# KiCad board k410t-devboard.kicad_pcb (continued)
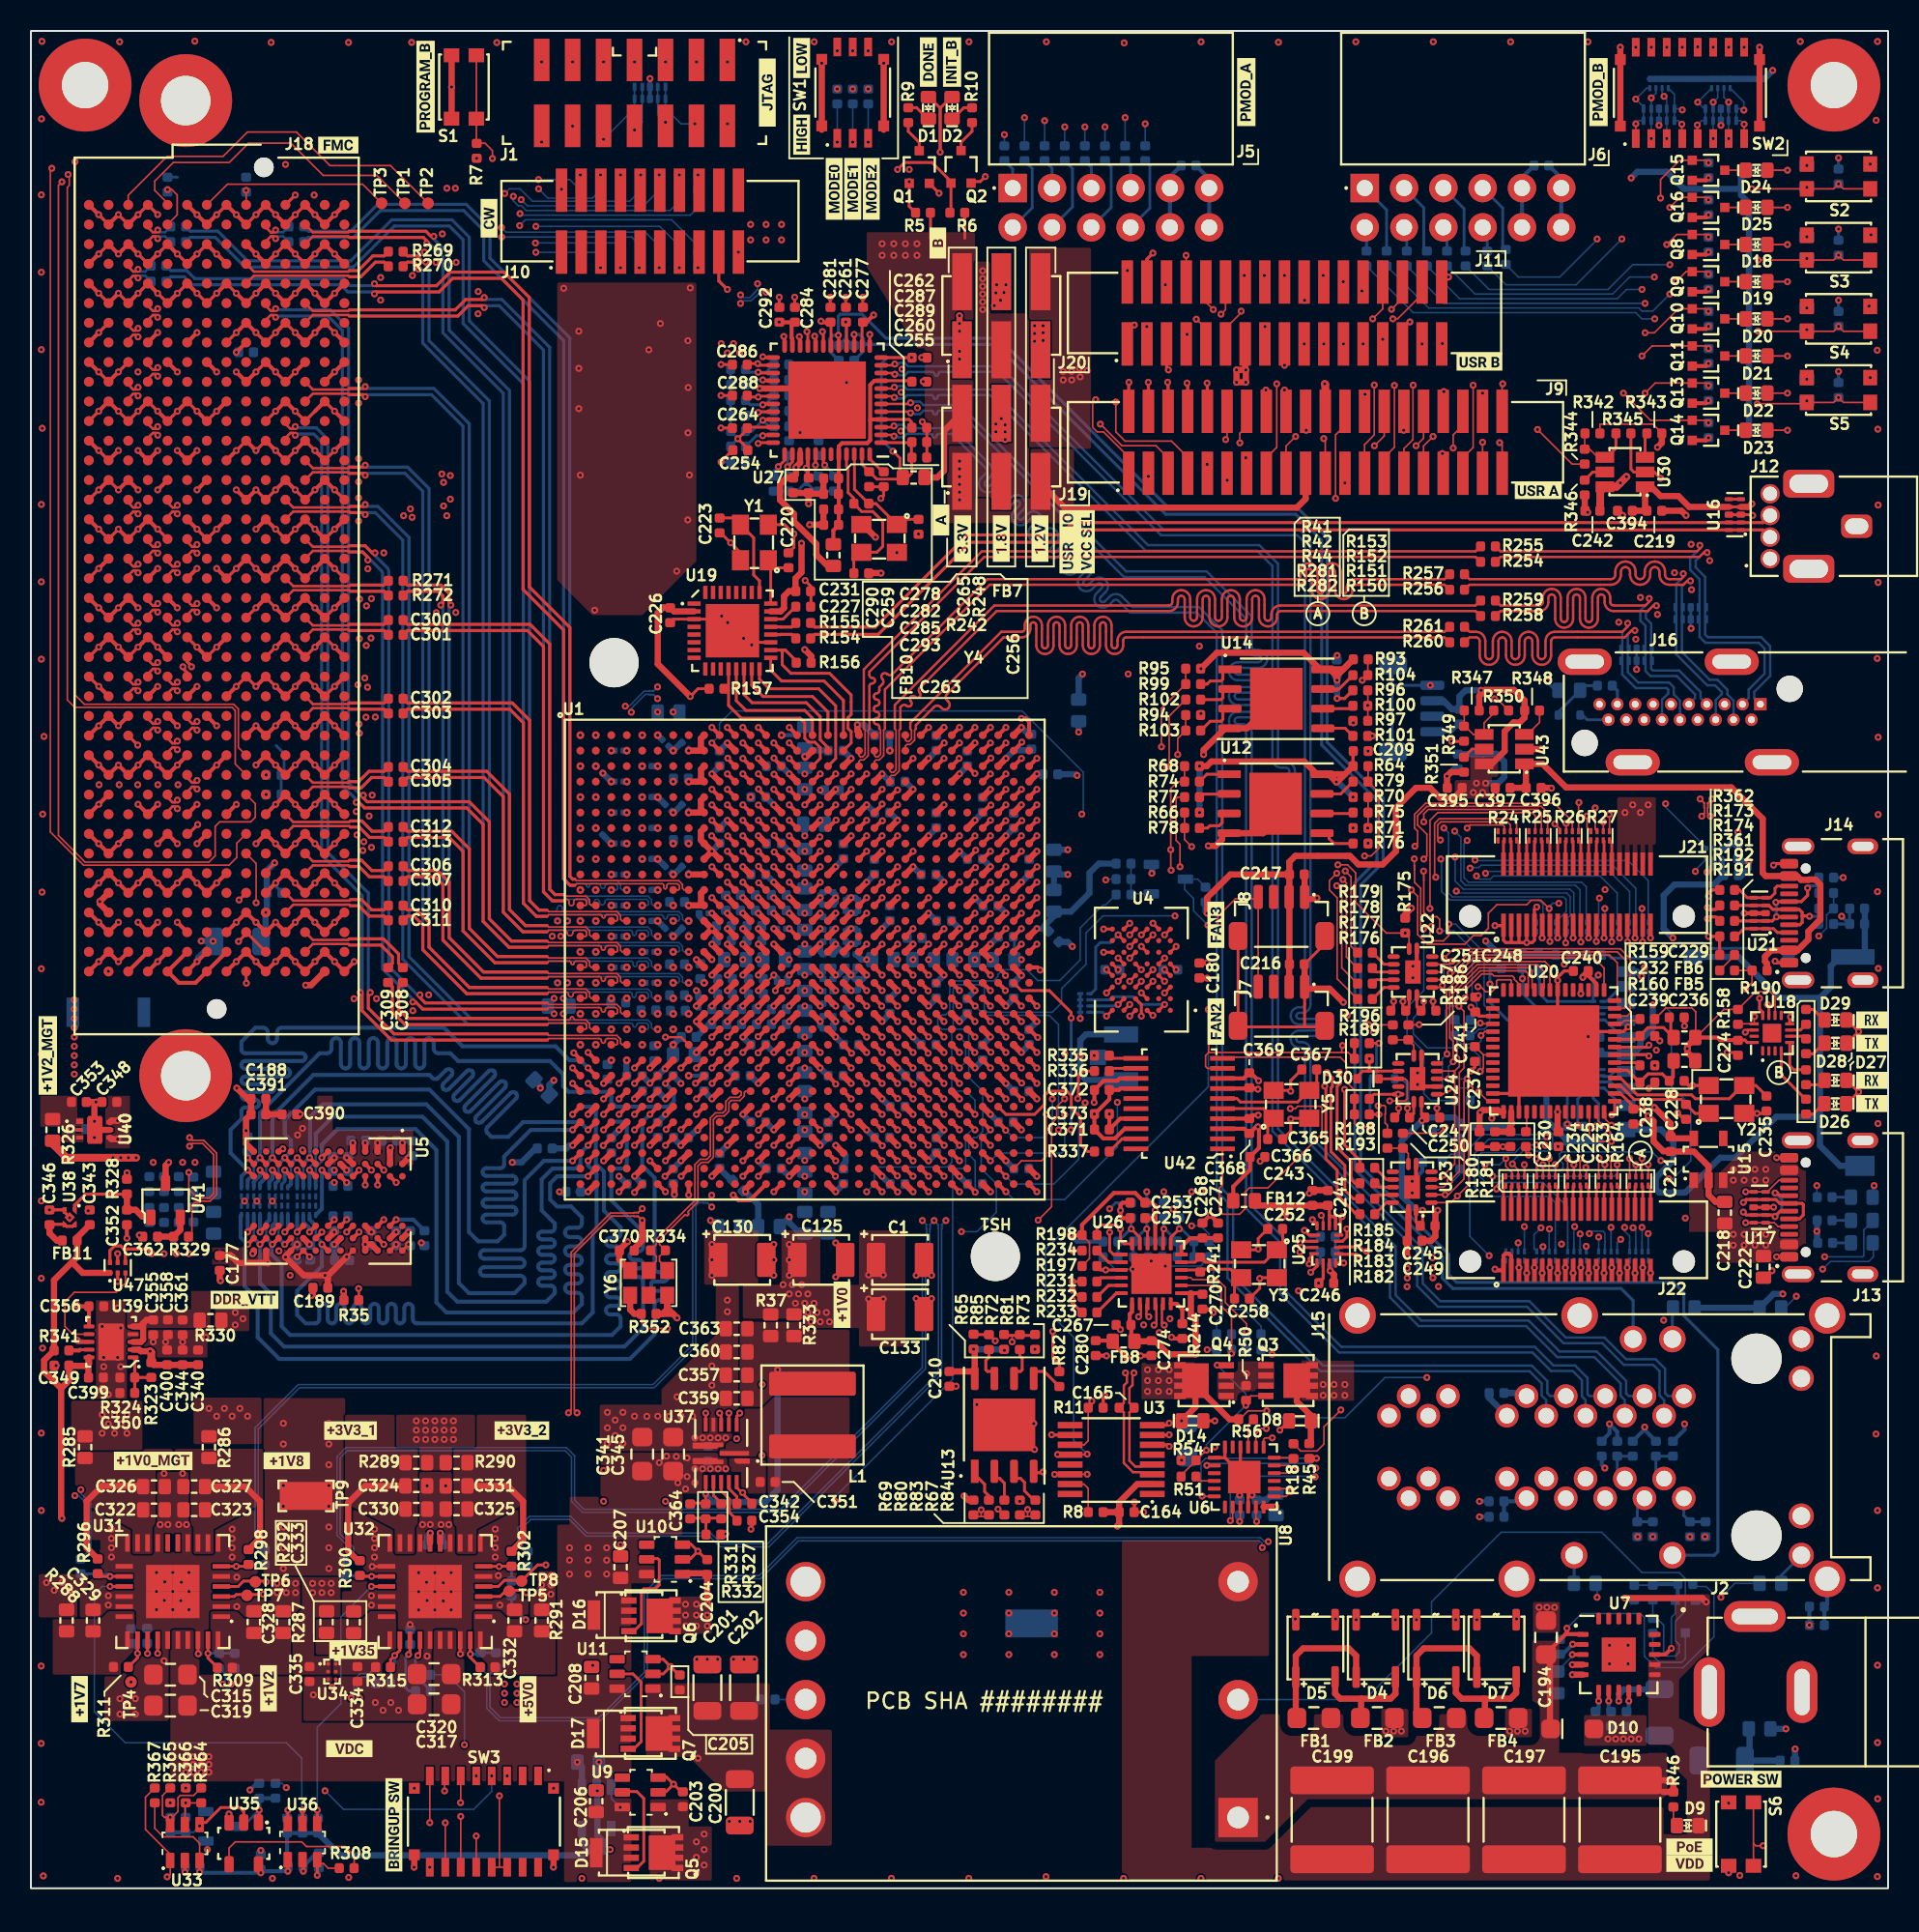
[diagram p0: board, top side]
## Routing (per net, layer and track width the routed paths; a pad name or vN(x,y) marks a point on that pad's centre or on a via; arc(x,y) is an arc through that point) (continued)
  Bottom w0.1: v1(93.65,52.78) 93.65,53.7 93.05,54.3 90.22,54.3 89.32,55.2 89.32,56.22 90,56.9 v1(90,57.3) ; 109.25,66.51 109.25,66.6 108.75,67.1 108.75,67.19
  Bottom w0.4: 109.25,66.51 109.25,65.55 109.35,65.45 108.85,64.95 108.85,64.9 108.8,64.85 106.2,64.85 105.5,64.15 105.5,62 v1(106.1,61.4) ; v1(89.93,43.8) 89.51,43.8 88.58,44.73 88.58,48.3 v1(89.88,49.6) 90.08,49.8 91.99,49.8 92.35,49.44 ; v1(95.68,49.43) 95.4,49.15 92.49,49.15 92.3,49.34
/USB PHY/FTDI_EECLK: length 18.7
  Top w0.1: v1(102.12,49.3) 101.75,49.68 101.75,50.06 U20.56
  Top w0.182: v1(112.21,57.1) 112.3,57.01 112.3,56.4
  In3.Cu w0.1: v1(112.21,57.1) 111,57.1 110.3,56.4 110.3,50.4 109.1,49.2 102.22,49.2 v1(102.12,49.3)
/USB PHY/FTDI_EECS: length 18.7
  Top w0.182: 111.9,56.4 111.9,56.6 111.7,56.8 v1(111.7,57.5) ; U20.1 102.34,50.15 v1(102.15,49.97)
  In3.Cu w0.1: v1(111.7,57.5) 111,57.5 110,56.5 110,50.6 108.9,49.5 102.6,49.5 102.15,49.95 v1(102.15,49.97)
/USB PHY/FTDI_EEDAT: length 16.8
  Top w0.1: v1(101.9,48.78) 101.9,48.95 101.25,49.6 101.25,50.06 U20.55
  Top w0.182: v1(110.78,55.31) 110.92,55.45 111.35,55.45
  In3.Cu w0.1: v1(110.78,55.31) 110.6,55.13 110.6,50.2 109.3,48.9 102.03,48.9 v1(101.9,48.78)
/USB PHY/FTDI_JTAG_RST: length 20
  Top w0.1: 100.15,58.04 v1(100.15,57.8)
  In3.Cu w0.1: v1(100.15,57.8) 98.4,57.8 97.15,59.05 97.15,61.8 97.5,62.15 98.5,62.15 98.6,62.25 98.6,62.9 101.4,65.7 v1(107.55,65.7)
  Bottom w0.1: 108.25,66.51 108.25,66.49 107.55,65.79 v1(107.55,65.7)
/USB PHY/FTDI_JTAG_TCK: length 19.7
  Top w0.1: U22.2 91.07,58.2 v1(91.2,58.32) ; 102.34,56.35 103.13,56.35 103.34,56.56 103.34,60.06 102.7,60.7 91.93,60.7 v1(91.3,60.07)
  Bottom w0.1: v1(91.2,58.32) 91.3,58.43 v1(91.3,60.07)
/USB PHY/FTDI_JTAG_TDI: length 17.1
  Top w0.1: U22.4 91.1,59.2 91.4,59.5 91.97,59.5 92.97,60.5 102.5,60.5 103.1,59.9 103.1,57 102.95,56.85 102.34,56.85
/USB PHY/FTDI_JTAG_TDO: length 16.3
  Top w0.1: 90.55,59.7 91.63,59.7 v1(91.82,59.89) ; 102.39,57.4 102.34,57.35 102.45,57.35 102.5,57.4 102.5,59.8 102,60.3 93.07,60.3 91.9,59.12 v1(91.7,59.12)
  Bottom w0.1: v1(91.82,59.89) 91.7,59.77 v1(91.7,59.12)
/USB PHY/FTDI_JTAG_TMS: length 13.4
  Top w0.1: 101.65,58.04 101.65,59.46 101.01,60.1 93.2,60.1 92.2,59.1 92.2,59.05 91.85,58.7 U22.3
/USB PHY/FTDI_PWREN: length 20.7
  Top w0.1: U20.54 100.7,50.11 100.7,48.6 101.05,48.25 v1(102.12,48.25) ; 110.3,55.81 110.33,55.85 111.35,55.85 111.35,56.3 v1(111.38,56.32)
  In3.Cu w0.1: v1(102.12,48.25) 102.47,48.6 109.5,48.6 110.9,50 110.9,54.8 111.2,55.1 111.2,56.15 v1(111.38,56.32)
/USB PHY/FTDI_REF: length 1.7
  Top w0.198: U20.6 103.78,53.35 103.96,53.16
/USB PHY/FTDI_RST: length 1.8
  Top w0.1: 102.34,55.85 102.75,55.85 102.97,56.07 103.87,56.07 103.96,56.16
/USB PHY/FTDI_SCL: length 104.9
  Top w0.1: v1(28.77,3.38) 28.77,1.36
  Top w0.177: v1(88.35,51.3) 86.78,51.3 86.49,51
  In5.Cu w0.1: v1(28.77,3.38) 29.21,3.38 32.49,6.66 32.49,13.87 39.42,20.8 46.14,20.8 48.35,23.01 66.28,23.01 69.61,26.34 76.67,26.34 77.63,27.3 80.32,27.3 81.82,28.8 81.82,36.32 84.9,39.4 87.7,39.4 88.77,38.33 89.06,38.33 89.41,38.68 89.41,39.59 v1(90.56,40.74)
  In7.Cu w0.1: v1(90.56,40.74) 89.52,40.74 88,42.26 88,48.76 89.43,50.19 89.43,50.7 88.83,51.3 v1(88.35,51.3)
/USB PHY/FTDI_SDA_IN: length 108.7
  Top w0.1: v1(26.77,4.23) 26.77,1.36
  Top w0.177: 86.45,52.8 86.25,52.8 ; 86.45,52.8 87.05,52.8 ; 86.45,52.8 86.49,52.84 86.49,52.88 ; 86.25,52.8 86.4,52.8 86.49,52.88 ; 86.25,52.8 86.05,52.8 85.55,52.3 ; 87.05,52.8 88.35,52.8 ; 87.05,52.8 86.57,52.8 86.49,52.88 ; 86.49,52.88 v1(86.49,53.6)
  In5.Cu w0.1: v1(26.77,4.23) 29.49,4.23 32.09,6.83 32.09,14.06 39.23,21.2 45.93,21.2 48.14,23.41 66.11,23.41 69.45,26.75 76.51,26.75 77.46,27.7 80.16,27.7 81.41,28.95 81.41,36.48 84.73,39.8 88.56,39.8 v1(88.93,39.43)
  In7.Cu w0.1: v1(86.49,53.6) 86.11,53.22 86.11,46.59 87.35,45.35 87.35,41.01 v1(88.93,39.43)
/USB PHY/FTDI_SDA_OUT: length 103.2
  Top w0.1: 88.35,52.3 88.8,52.3 88.93,52.17 88.93,51.01 88.79,50.87 v1(87.8,50.87) ; v1(27.77,4.64) 27.77,1.36
  Top w0.177: 88.35,52.3 87.25,52.3
  In5.Cu w0.1: v1(88.93,40.05) 88.88,40 84.65,40 81.21,36.56 81.21,29.04 80.07,27.9 77.38,27.9 76.43,26.94 69.36,26.94 66.03,23.61 48.06,23.61 45.85,21.4 39.15,21.4 31.89,14.14 31.89,6.91 29.62,4.64 v1(27.77,4.64)
  In7.Cu w0.1: v1(88.93,40.05) 87.68,41.3 87.68,50.75 v1(87.8,50.87)
/USB PHY/FTDI_UART0_RX: length 3.3
  Top w0.1: 94.46,55.35 93.95,55.35 v1(93.7,55.1)
  Bottom w0.1: v1(93.7,55.1) 93.7,54.75 93.5,54.55 92.45,54.55 92.01,54.99 92.01,55.1
/USB PHY/FTDI_UART0_TX: length 2.8
  Top w0.1: 94.46,55.85 93.7,55.85 v1(93.65,55.9)
  Bottom w0.1: 92.01,56.1 92.05,56.1 92.55,55.6 93.35,55.6 v1(93.65,55.9)
/USB PHY/FTDI_UART1_RX: length 1.3
  Top w0.1: 96.65,50.16 96.65,48.94 96.6,48.88
/USB PHY/FTDI_UART1_TX: length 2
  Top w0.1: v1(93.55,51.45) 94.15,50.85 94.46,50.85
  Bottom w0.1: 92.99,50.9 93,50.9 v1(93.55,51.45)
/USB PHY/FTDI_VCORE: length 25
  Top w0.182: v1(104.1,50.5) 103.97,50.37 103.54,50.37 103.54,50.51 102.71,51.35 U20.2
  Top w0.201: 94.46,56.35 93.57,56.35 93.32,56.6 93.32,56.65 v1(93.05,56.93)
  Top w0.4: 93.6,48.88 93.6,50.07 v1(93.65,50.12) 93.8,50.28 94.78,50.28 94.89,50.16 95.15,50.16
  In2.Cu w0.4: v1(93.05,56.93) 93.78,56.93 94.3,56.4 94.3,51.32 ; 94.3,51.32 103.28,51.32 v1(104.1,50.5) ; 94.3,51.32 93.65,50.68 v1(93.65,50.12)
/USB PHY/FTDI_VPHY: length 5.7
  Top w0.198: U20.5 103.16,52.85 103.94,52.06 104.5,52.62 105.41,52.62 105.86,52.16 106.12,52.43 106.12,53.47
/USB PHY/FTDI_VPLL: length 5.6
  Top w0.182: 103.94,55.06 104.49,55.61 105.49,55.61 105.96,55.14 105.96,54.97 105.96,54.97 105.96,56.17 105.86,56.26
  Top w0.198: 103.94,55.06 103.73,54.85 102.34,54.85
/USB PHY/FTDI_XI: length 6.8
  Top w0.182: 108.41,50.06 107.53,50.06 106.63,50.97 103.59,50.97 102.71,51.85 U20.3
/USB PHY/FTDI_XO: length 11
  Top w0.182: U20.4 102.71,52.35 103.79,51.26 107.3,51.26 107.55,51.01 109.75,51.01 ; 110.6,51.87 111.46,51.87 112.14,51.19
  Top w0.198: 110.6,51.87 109.75,51.01
/USB PHY/I2C_EN: length 14
  Top w0.1: 88,55.78 86.44,55.78 v1(86.43,55.8) ; v1(93.5,58.25) 93.68,58.25 94,57.93 94.4,57.93 94.7,58.22 94.7,58.62 94.78,58.7 95.6,58.7 95.65,58.65 95.65,58.04
  In3.Cu w0.1: v1(86.43,55.8) 86.43,57.21 86.9,57.68 91.92,57.68 92.49,58.25 v1(93.5,58.25)
/USB PHY/LED_RX0: length 2.7
  Top w0.182: 114.7,52.88 113.92,52.88 113.65,53.15 113.65,54.65
/USB PHY/LED_RX1: length 1.2
  Top w0.182: 114.7,55.81 114.33,55.45 113.65,55.45
/USB PHY/LED_TX0: length 3.8
  Top w0.182: 113.1,54.1 113.1,52.55 114.67,50.99 114.7,50.99
/USB PHY/LED_TX1: length 1.1
  Top w0.182: 113.65,55.05 114.54,55.05 114.7,54.88
/USB PHY/SPI_EN: length 22.6
  Top w0.1: 87.65,48.78 87.65,49.3 87.5,49.45 87.5,50.03 87.53,50.05 87.53,50.5 87.45,50.57 87.07,50.57 v1(87.05,50.55) ; v1(92.66,57.52) 92.8,57.66 92.8,58.12 93.75,59.07 94.4,59.07 94.53,58.95 95.72,58.95 95.85,58.82 95.85,58.72 96.15,58.43 96.15,58.04
  In3.Cu w0.1: v1(87.05,50.55) 87.4,50.55 87.97,49.97 92.68,49.97 93.43,50.72 93.95,50.72 94.15,50.93 94.15,56.36 92.98,57.52 v1(92.66,57.52)
/USB PHY/USB_DBG_CONN_D+: length 24.1
  Top w0.198: 112.77,43.5 113.02,43.75 J13.A6 ; 112.77,43.5 112.77,43.47 v1(112.7,43.4) ; 112.77,43.5 110.84,43.5 v1(110.65,43.69) ; v1(104.55,54.47) 104.41,54.34 102.35,54.34 102.34,54.35 ; v1(112.7,44.93) 112.85,44.93 113.02,44.75 113.61,44.75
  In5.Cu w0.114: v1(104.55,54.47) 104.35,54.28 103.5,54.28 103.15,53.92 103.15,49.9 109.19,43.86 110.48,43.86 v1(110.65,43.69)
  Bottom w0.198: v1(112.7,44.93) 113.12,44.5 113.12,43.82 v1(112.7,43.4)
/USB PHY/USB_DBG_CONN_D-: length 23.8
  Top w0.198: U20.7 102.35,53.86 104.46,53.86 v1(104.55,53.78) ; J13.B7 114.27,43.25 114.52,43.5 114.52,44.18 114.45,44.25 113,44.25 112.75,44.5 110.84,44.5 v1(110.65,44.31)
  In5.Cu w0.114: v1(110.65,44.31) 110.48,44.14 109.31,44.14 103.44,50.01 103.44,52.16 arc(103.53,52.37) 103.74,52.46 103.88,52.46 arc(104.09,52.55) 104.18,52.76 arc(104.09,52.97) 103.88,53.06 103.74,53.06 arc(103.53,53.15) 103.44,53.36 103.44,53.81 103.62,53.99 104.34,53.99 v1(104.55,53.78)
/USB PHY/USB_HOST_CONN_D+: length 65.1
  Top w0.198: 110.49,88.25 110.5,88.24 ; 112.38,88.7 111.91,88.24 67.3,88.24 66.5,87.44 60.5,87.44 54.55,81.49 50.65,81.49 50.38,81.75
/USB PHY/USB_HOST_CONN_D-: length 65.1
  Top w0.198: 50.38,80.75 50.65,81.01 54.75,81.01 60.7,86.96 66.7,86.96 67.5,87.76 111.91,87.76 J12.2 ; 110.49,87.75 110.5,87.76
/USB PHY/USB_HOST_D+: length 1.7
  Top w0.198: 47.8,81.5 48.44,81.5 48.45,81.49 49.15,81.49 49.41,81.75
/USB PHY/USB_HOST_D-: length 1.7
  Top w0.198: 49.41,80.75 49.15,81.01 48.45,81.01 48.44,81 47.8,81
/USB PHY/USB_HOST_VBCOMP: length 1.9
  Top w0.182: 47.8,82 48.6,82 49.4,82.8
/USB PHY/USB_HOST_VBUS: length 15.9
  Top w0.182: 110.49,89.25 109.71,89.25
  Top w0.4: 110.49,89.25 111,89.25 v1(111.2,89.45) ; 109.71,89.25 107.15,89.25 106.45,89.95 105.3,89.95 104.7,90.55 104.3,90.55 104.3,89.11 104.41,89 103.5,89
  In2.Cu w0.4: J12.1 111.4,85.9 110.2,87.1 110.2,89.1 110.55,89.45 v1(111.2,89.45)
/USB PHY/USB_HOST_VBUS_EN: length 4.5
  Top w0.1: 100.41,94 100.4,93.98 100.4,92.98 100.72,92.98 101.25,92.45 101.7,92.45
  Top w0.182: 102.41,94 102.41,93.04 101.82,92.45 101.7,92.45
/USB PHY/USB_HOST_VBUS_FLG: length 1.6
  Top w0.182: 104.3,92.45 104.3,93.89 104.41,94
/USB PHY/USB_HOST_XI: length 4.4
  Top w0.182: 48.95,85.31 48.13,85.31 Y1.1 47.8,85.65 47.8,83
/USB PHY/USB_HOST_XO: length 6.4
  Top w0.182: 44.5,88.53 45.41,88.53 46.7,87.25 46.7,84.85 47.07,84.47 U19.25
/USB PHY/USB_USR_CC1: length 3.9
  Top w0.182: J14.A5 112.85,61.75 112.6,62 U21.10 110.69,62 110.08,61.4
/USB PHY/USB_USR_CC2: length 4.2
  Top w0.182: 110.08,64.5 110.4,64.5 110.9,64 112.4,64 112.69,64.29 112.69,64.61 112.83,64.75 113.61,64.75
/USB PHY/USB_USR_CONN_D+: length 9.1
  Top w0.198: 110.08,62.5 U21.9 112.52,62.5 v1(112.79,62.76) 113.17,62.76 113.19,62.75 J14.A6 ; v1(112.75,63.7) 112.8,63.75 114.4,63.75 114.8,64.15 v1(114.8,64.62)
  Bottom w0.198: v1(114.8,64.62) 114.94,64.77 115.51,64.77 ; v1(112.79,62.76) 112.79,63.66 v1(112.75,63.7) ; 115.51,64.77 115.51,64.3 ; 115.51,64.77 115.51,65.3
/USB PHY/USB_USR_CONN_D-: length 8.2
  Top w0.198: 114.45,62.83 114.9,62.83 v1(114.93,62.8) ; 114.45,62.83 114.45,62.4 114.3,62.25 J14.B7 ; 114.45,62.83 114.45,63.05 114.25,63.25 112.55,63.25 112.3,63.5 110.08,63.5
  Bottom w0.198: 115.51,63.3 115.51,62.79 ; 115.51,62.79 115.51,62.3 ; 115.51,62.79 114.94,62.79 v1(114.93,62.8)
/USB PHY/USB_USR_D+: length 62.4
  Top w0.198: U25.10 84.54,41.44 85.85,41.44 86.13,41.16 v1(86.31,41.16) ; 109.12,62.5 108.85,62.76 108.46,62.76 v1(108.33,62.64)
  In7.Cu w0.198: v1(108.33,62.64) 108.51,62.81 109.1,62.81 109.74,62.17 109.74,59.08 107.76,57.1 107.76,54.28 105.36,51.88 105.36,48.87 108.39,45.85 108.39,35.4 106.92,33.94 89.72,33.94 88.14,35.52 88.14,39.08 86.31,40.91 v1(86.31,41.16)
/USB PHY/USB_USR_D-: length 63.5
  Top w0.198: v1(85.79,40.64) 85.79,40.82 85.65,40.96 84.54,40.96 84.5,41 ; v1(108.33,63.36) 108.46,63.24 108.85,63.24 109.12,63.5
  In7.Cu w0.198: v1(108.33,63.36) 108.51,63.19 109.25,63.19 110.11,62.33 110.11,58.92 108.14,56.95 108.14,54.12 105.74,51.72 105.74,49.03 108.76,46 108.76,35.25 107.08,33.56 89.56,33.56 87.76,35.36 87.76,38.92 86.04,40.64 v1(85.79,40.64)
/USB PHY/USB_USR_VBUS: length 35.1
  Top w0.4: 112.19,59.3 112.19,59.74 112.05,59.88 112.05,60.2 112.45,60.6 J14.A4 114.15,60.6 114.85,61.3 114.85,61.82 115.62,62.6 115.62,64.85 115.3,65.17 114.88,65.17 114.85,65.15 114.38,65.15 114.12,65.4 112.1,65.4 111.9,65.6 111.9,69.1 109.88,71.12 99.2,71.12 97.68,72.65 96.5,72.65 96.6,72.55 96.6,71.1 95.59,71.1
/USB PHY/USB_USR_VPU: length 76.5
  Top w0.1: v1(83.38,43.47) 83.5,43.35 83.5,42.8
  In3.Cu w0.1: v1(101.71,64.52) 101.72,64.53 112.95,64.53 113.65,63.83 115.18,63.83 115.43,63.58 115.43,61.62 v1(115.52,61.53)
  In5.Cu w0.1: v1(101.71,64.52) 103.49,64.52 105.1,62.91 105.1,60.33 v1(104.26,59.49) ; v1(105.83,45.84) 106.07,45.6 106.07,42.6 104.39,40.92 99.93,40.92 99.4,41.45 99.4,42.13 93.68,47.85 85.9,47.85 83.38,45.32 v1(83.38,43.47)
  Bottom w0.1: v1(115.52,61.53) 116.02,62.03 116.02,62.88 116.45,63.3 116.49,63.3 116.49,64.3 ; v1(104.26,59.49) 104.55,59.2 104.55,58 106,56.55 106,51.82 107.25,50.57 107.25,47 106.09,45.84 v1(105.83,45.84)
/USB PHY/~{BDBUS3}: length 5.2
  Top w0.1: 88.65,48.78 91,48.78 v1(91.39,49.17)
  Bottom w0.1: 92.3,48.37 92.19,48.47 91.8,48.47 91.39,48.88 v1(91.39,49.17) 91.12,49.17 90.95,49 90.55,49
/USB_SPI.MISO: length 89.6
  Top w0.182: 85.87,46.55 85.87,47.03 84.89,48.01 v1(84.89,51.61)
  Top w0.256: U1.R21 v1(56,61)
  In7.Cu w0.1: v1(56,61) 55.6,60.6 53.07,60.6 52.4,59.93 52.4,52.72 52.72,52.4 53.22,52.4 53.38,52.24 53.38,51.45 54.42,50.41 54.44,50.41 54.46,50.39 67.45,50.39 68.59,49.25 70.8,49.25 74.45,52.9 81.5,52.9 83.25,51.15 84.42,51.15 v1(84.89,51.61) 84.89,52.21 85.35,52.67 85.35,55.69 86.32,56.66 89.26,56.66 89.65,56.27 90.14,56.27 92.45,53.96 92.45,52.77 92.18,52.5 92.18,46.72 94.15,44.75 95.65,44.75 96.05,45.15 102.55,45.15 102.97,44.72 v1(102.97,42.7)
  Bottom w0.1: v1(102.97,42.7) 102.97,42.45 103.3,42.12 NT9.1
/USB_SPI.MOSI: length 90.5
  Top w0.182: 85.87,44.55 85.45,44.55 84.9,45.1 84.9,46.7 84,47.6 84,51.7 84.09,51.79 84.09,52.36 v1(83.75,52.7)
  Top w0.256: U1.T21 v1(56,59)
  In7.Cu w0.1: v1(56,59) 55.6,59.4 53.75,59.4 53.6,59.25 53.6,53.75 53.78,53.57 66,53.57 66.66,52.91 71.87,52.91 72.47,53.51 82.94,53.51 v1(83.75,52.7) 83.75,57.27 84.44,57.96 89.2,57.96 89.56,57.6 89.56,57.21 89.9,56.87 90.39,56.87 95.22,52.04 95.22,48.76 94.69,48.23 94.69,47.21 95.7,46.2 104.05,46.2 105.05,45.2 105.05,41.93 104.9,41.78 102.88,41.78 v1(102.72,41.93)
  Bottom w0.1: v1(102.72,41.93) 102.53,41.73 NT10.1
/USB_SPI.SCK: length 89.8
  Top w0.182: 85.87,43.55 85.65,43.55 84.4,44.8 84.4,46.4 83.68,47.12 83.68,51.75 v1(83.6,51.83)
  Top w0.256: U1.T22 v1(57,59)
  In7.Cu w0.1: v1(104.1,42.7) 104.1,45.22 103.47,45.85 95.43,45.85 94.33,46.94 94.33,48.4 94.96,49.03 94.96,52.02 90.31,56.67 89.82,56.67 89.36,57.13 89.36,57.52 89.12,57.76 84.71,57.76 84.16,57.21 84.16,52.39 v1(83.6,51.83) 82.12,53.31 72.84,53.31 72.14,52.61 66.49,52.61 65.72,53.38 53.69,53.38 53.4,53.67 53.4,59.33 53.67,59.6 56.4,59.6 v1(57,59)
  Bottom w0.1: NT11.1 v1(104.1,42.7)
/USB_SPI.~{CS}: length 94.2
  Top w0.182: v1(84.54,52.72) 84.62,52.64 84.62,52.02 84.4,51.8 84.4,47.86 85.3,46.96 85.3,45.8 85.55,45.55 85.87,45.55
  Top w0.256: U1.T23 v1(58,59)
  In7.Cu w0.1: v1(103.53,42.68) 103.53,45 102.97,45.55 94.22,45.55 92.43,47.35 92.43,52.46 92.65,52.68 92.65,54.04 90.22,56.47 89.73,56.47 89.31,56.89 86.27,56.89 85.15,55.77 85.15,53.33 v1(84.54,52.72) 84.57,52.68 84.57,51.86 84.11,51.39 83.29,51.39 81.57,53.11 74.38,53.11 70.72,49.45 68.67,49.45 67.53,50.59 54.54,50.59 53.59,51.54 53.59,52.36 53.35,52.6 52.8,52.6 52.6,52.8 52.6,59.85 53.15,60.4 57.15,60.4 57.4,60.15 57.4,59.6 v1(58,59)
  Bottom w0.1: NT12.1 103.7,42.5 v1(103.53,42.68)
/User GPIO + LED + button + DIP switch/CW_20PIN_HS1:
  vias: v1(35.5,110.7)
/User GPIO + LED + button + DIP switch/CW_20PIN_HS2:
  vias: v1(36.8,110.7)
/User GPIO + LED + button + DIP switch/CW_20PIN_IO1:
  vias: v1(39.4,110.7)
/User GPIO + LED + button + DIP switch/CW_20PIN_IO2:
  vias: v1(40.6,110.7)
/User GPIO + LED + button + DIP switch/CW_20PIN_IO3:
  vias: v1(41.9,110.7)
/User GPIO + LED + button + DIP switch/CW_20PIN_IO4:
  vias: v1(43.1,110.7)
/User GPIO + LED + button + DIP switch/CW_20PIN_MISO:
  vias: v1(38.1,104.7)
/User GPIO + LED + button + DIP switch/CW_20PIN_MOSI:
  vias: v1(39.3,104.7)
/User GPIO + LED + button + DIP switch/CW_20PIN_RST:
  vias: v1(36.8,104.7)
/User GPIO + LED + button + DIP switch/CW_20PIN_TPDIC:
  vias: v1(41.9,104.7)
/User GPIO + LED + button + DIP switch/CW_20PIN_TPDID:
  vias: v1(43.1,104.7)
/User GPIO + LED + button + DIP switch/CW_20PIN_TSCK:
  vias: v1(40.6,104.7)
/User GPIO + LED + button + DIP switch/FAN_PWM_CTRL_AON: length 3.4
  Bottom w0.1: 72.45,64.25 71.13,64.25 71.09,64.2 71.09,66.2
/User GPIO + LED + button + DIP switch/FAN_PWM_PIN: length 15.2
  Top w0.1: v1(76.05,62.22) 76.62,62.22 76.7,62.3 76.7,62.8 77.82,63.92 79.3,63.92 79.3,58.12
  Bottom w0.1: v1(76.05,62.22) 75.12,63.15 75.12,63.95 74.55,64.53 74.55,65.2 75.38,65.2 75.9,64.69
/User GPIO + LED + button + DIP switch/PMOD_A_1: length 5
  Bottom w0.182: 63.44,107.31 64.7,108.57 64.7,111.12 64.2,111.62
/User GPIO + LED + button + DIP switch/PMOD_A_2: length 5.1
  Bottom w0.182: 65.98,107.31 67.3,108.63 67.3,111.12 66.8,111.62
/User GPIO + LED + button + DIP switch/PMOD_A_3: length 5
  Bottom w0.182: 69.4,111.62 69.8,111.22 69.8,108.59 68.52,107.31
/User GPIO + LED + button + DIP switch/PMOD_A_4: length 4.9
  Bottom w0.182: 71.06,107.31 72.3,108.55 72.3,111.32 72,111.62
/User GPIO + LED + button + DIP switch/PMOD_A_7: length 2
  Bottom w0.182: 62.9,111.62 63.44,111.08 J5.1
/User GPIO + LED + button + DIP switch/PMOD_A_8: length 2
  Bottom w0.182: 65.5,111.62 65.98,111.14 65.98,109.85
/User GPIO + LED + button + DIP switch/PMOD_A_9: length 1.9
  Bottom w0.182: 68.52,109.85 68.52,111.2 68.1,111.62
/User GPIO + LED + button + DIP switch/PMOD_A_10: length 1.9
  Bottom w0.182: 71.06,109.85 71.06,111.26 70.7,111.62
/User GPIO + LED + button + DIP switch/PMOD_B_1: length 1.6
  Bottom w0.182: 86.19,107.31 86.3,107.2 86.3,105.79
/User GPIO + LED + button + DIP switch/PMOD_B_2: length 1.6
  Bottom w0.182: 88.73,107.31 88.9,107.14 88.9,105.79
/User GPIO + LED + button + DIP switch/PMOD_B_3: length 1.6
  Bottom w0.182: 91.5,105.78 91.5,107.08 91.27,107.31
/User GPIO + LED + button + DIP switch/PMOD_B_4: length 1.6
  Bottom w0.182: 94.1,105.79 94.1,107.02 93.81,107.31
/User GPIO + LED + button + DIP switch/PMOD_B_7: length 4.7
  Bottom w0.182: 87.6,105.79 87.6,108.44 J6.1
/User GPIO + LED + button + DIP switch/PMOD_B_8: length 4.7
  Bottom w0.182: 88.73,109.85 90,108.58 90,105.99 90.2,105.79
/User GPIO + LED + button + DIP switch/PMOD_B_9: length 4.7
  Bottom w0.182: 91.27,109.85 92.6,108.52 92.6,105.99 92.8,105.79
/User GPIO + LED + button + DIP switch/PMOD_B_10: length 4.7
  Bottom w0.182: 95.3,105.79 95.1,105.99 95.1,108.56 93.81,109.85
/USER_IO.A1: length 45.6
  Top w0.1: 70.94,91.42 70.94,92.47 69.3,94.1 68.89,94.1 68.6,94.39 68.6,95.97 v1(68.8,96.17)
  Top w0.256: U1.M19 v1(54,64)
  In3.Cu w0.1: v1(68.8,96.17) 68.4,96.17 54.04,81.81 54.04,81.75 54.01,81.73 54.01,72.88 53.6,72.47 53.6,64.4 v1(54,64)
/USER_IO.A3: length 31
  Top w0.256: U1.L30 v1(65,65)
  In3.Cu w0.1: v1(65,65) 65.6,65.6 65.6,86.5 69.9,90.8 70.88,90.8 71.18,91.1 72.07,91.1 v1(72.2,91.23)
/USER_IO.A5: length 45.3
  Top w0.1: 73.47,91.42 73.47,92.42 72.7,93.2 70.5,93.2 v1(69.1,94.6)
  Top w0.256: U1.P21 v1(56,62)
  In3.Cu w0.1: v1(56,62) 56.6,62.6 56.6,82.62 68.58,94.6 v1(69.1,94.6)
/USER_IO.A7: length 64
  Top w0.1: 74.75,91.42 74.75,92.45 73.7,93.5 70.7,93.5 70.1,94.1 v1(70.1,96.03)
  Top w0.256: v1(65.01,66) 65,66 U1.K30
  In3.Cu w0.1: v1(70.1,96.03) 69.47,95.4 68.5,95.4 54.91,81.81 54.91,72.63 55.4,72.14 55.4,61.76 55.69,61.47 60.29,61.47 60.5,61.68 60.5,62.07 61.02,62.59 62.27,62.59 62.52,62.84 62.52,65.11 62.96,65.55 63.18,65.55 63.52,65.89 63.52,66.11 63.87,66.46 64.55,66.46 v1(65.01,66)
/USER_IO.A9: length 34.5
  Top w0.1: v1(76,92) 76,91.44 76.01,91.42
  Top w0.256: U1.J29 v1(64,67)
  In3.Cu w0.1: v1(76,92) 71.51,92 70.71,91.2 69.73,91.2 64.6,86.07 64.6,67.6 v1(64,67)
/USER_IO.A11: length 39.2
  Top w0.1: v1(77.3,90.97) 77.28,90.99 77.28,91.42
  Top w0.256: U1.M28 63,64 v1(63.02,64)
  In3.Cu w0.1: v1(63.02,64) 63.62,64.6 65.4,64.6 65.8,65 65.8,86.42 69.98,90.6 70.96,90.6 71.16,90.8 77.13,90.8 v1(77.3,90.97)
/USER_IO.A12: length 39.5
  Top w0.1: v1(77.2,93.6) 77.28,93.69 77.28,95.49
  Top w0.256: U1.J27 v1(62,67)
  In3.Cu w0.1: v1(77.2,93.6) 77,93.8 71.86,93.8 70.32,92.26 70.32,92.23 69.34,92.23 64.07,86.95 64.05,86.95 62.41,85.32 62.41,67.41 v1(62,67)
/USER_IO.A13: length 36.7
  Top w0.1: v1(78.5,92.43) 78.5,91.48 78.56,91.42
  Top w0.256: U1.H29 v1(64,68)
  In3.Cu w0.1: v1(78.5,92.43) 71.66,92.43 70.63,91.4 69.65,91.4 64.4,86.15 64.4,68.4 v1(64,68)
/USER_IO.A14: length 39.8
  Top w0.1: v1(78.11,93.39) 78.11,94 78.56,94.44 78.56,95.49
  Top w0.256: U1.J28 v1(63,67)
  In3.Cu w0.1: v1(78.11,93.39) 77.75,93.03 71.69,93.03 70.49,91.83 69.51,91.83 63.4,85.72 63.4,67.4 v1(63,67)
/USER_IO.A15: length 59.1
  Top w0.1: v1(80.5,97.2) 80.5,93.1 79.82,92.43 79.82,91.42
  Top w0.256: U1.N19 v1(54,63)
  In3.Cu w0.1: v1(54,63) 53.4,63.6 53.4,72.67 53.79,73.06 53.79,81.79 53.82,81.82 53.82,81.88 68.74,96.8 79.2,96.8 79.6,97.2 v1(80.5,97.2)
/USER_IO.A16: length 50.4
  Top w0.256: U1.M20 v1(55,64)
  In3.Cu w0.1: v1(55,64) 54.4,64.6 54.4,81.88 68.32,95.8 69,95.8 69.8,96.6 79.6,96.6 v1(79.8,96.8)
/USER_IO.A17: length 46.4
  Top w0.1: 81.09,91.42 81.09,93.18 v1(81.72,93.8)
  Top w0.256: v1(61.04,67.07) 61.04,67.05 U1.J26
  In3.Cu w0.1: v1(61.04,67.07) 60.6,67.52 60.6,84.36 69.07,92.83 70.04,92.83 71.61,94.4 81.12,94.4 v1(81.72,93.8)
/USER_IO.A18: length 50.3
  Top w0.256: U1.L20 v1(55,65)
  In3.Cu w0.1: v1(55,65) 54.6,65.4 54.6,81.79 68.41,95.6 69.08,95.6 69.88,96.4 80.6,96.4 v1(81,96.8)
/USER_IO.A21: length 50.2
  Top w0.1: 83.63,91.42 83.63,93.56 v1(83.54,93.66)
  Top w0.256: U1.M27 v1(62,64)
  In3.Cu w0.1: v1(62,64) 61.62,64.38 61.62,84.81 69.23,92.43 70.2,92.43 71.78,94 79.88,94 80.68,93.2 83.02,93.2 83.49,93.66 v1(83.54,93.66)
/USER_IO.A23: length 45.9
  Top w0.1: 84.91,91.42 84.91,90.81 v1(84.9,90.8)
  Top w0.256: U1.M29 v1(64,64)
  In3.Cu w0.1: v1(84.9,90.8) 84.7,90.6 71.25,90.6 71.05,90.4 70.06,90.4 66,86.34 66,64.9 65.5,64.4 64.4,64.4 v1(64,64)
/USER_IO.A24: length 49.9
  Top w0.1: v1(84.3,89.8) 84.3,93.9 84.91,94.51 84.91,95.49
  Top w0.256: U1.N30 v1(65,63)
  In3.Cu w0.1: v1(65,63) 65.1,63 66.6,64.5 66.6,86.09 70.31,89.8 71.29,89.8 71.49,90 84.1,90 v1(84.3,89.8)
/USER_IO.A25: length 60.9
  Top w0.1: 86.18,91.42 86.18,93.28 86.8,93.9 v1(86.8,97.13)
  Top w0.256: U1.L21 v1(56,65)
  In3.Cu w0.1: v1(86.8,97.13) 85.93,97.13 84.8,96 70.95,96 69.92,94.98 68.67,94.98 56.4,82.7 56.4,65.4 v1(56,65)
/USER_IO.A26: length 52.4
  Top w0.1: 86.18,95.49 86.2,95.51 v1(86.2,96.53)
  Top w0.256: U1.J22 v1(57,67)
  In3.Cu w0.1: v1(57,67) 57.4,67.4 57.4,83.14 68.49,94.23 69.46,94.23 71.03,95.8 85.47,95.8 v1(86.2,96.53)
/USER_IO.A27: length 64.3
  Top w0.1: 87.44,91.42 87.44,92.45 88.1,93.1 v1(88.1,97.1)
  Top w0.256: U1.P22 v1(57,62)
  In3.Cu w0.1: v1(88.1,97.1) 86.6,95.6 71.12,95.6 69.54,94.03 68.57,94.03 57.6,83.05 57.6,62.6 v1(57,62)
/USER_IO.A28: length 51.3
  Top w0.1: 87.44,95.49 87.44,93.83 v1(86.81,93.2)
  Top w0.256: U1.M30 v1(65,64)
  In3.Cu w0.1: v1(86.81,93.2) 86.81,90.61 86.6,90.4 71.33,90.4 71.13,90.2 70.15,90.2 66.2,86.25 66.2,64.8 65.4,64 v1(65,64)
/USER_IO.A29: length 62.9
  Top w0.1: v1(89.32,97.12) 89.3,97.1 89.3,93.6 88.72,93.02 88.72,91.42
  Top w0.256: U1.M23 v1(58,64)
  In3.Cu w0.1: v1(89.32,97.12) 87.6,95.4 71.2,95.4 69.62,93.83 68.65,93.83 58.4,83.57 58.4,64.4 v1(58,64)
/USER_IO.A30: length 56
  Top w0.1: v1(88.7,94.2) 88.72,94.22 88.72,95.49
  Top w0.256: U1.N27 61.97,62.97 v1(62,62.97)
  In3.Cu w0.1: v1(88.7,94.2) 83.45,94.2 82.65,93.4 80.9,93.4 80.1,94.2 71.7,94.2 70.12,92.63 69.15,92.63 61.42,84.89 61.42,63.55 v1(62,62.97)
/USER_IO.A31: length 59.1
  Top w0.1: v1(90.6,93.8) 89.99,93.19 89.99,91.42
  Top w0.256: U1.L26 v1(61,65)
  In3.Cu w0.1: v1(61,65) 60.5,65.5 60.5,66.2 60.3,66.4 59.8,66.4 59.6,66.6 59.6,83.92 68.9,93.23 69.87,93.23 71.45,94.8 89.6,94.8 v1(90.6,93.8)
/USER_IO.A32: length 52.6
  Top w0.1: 89.99,95.49 89.99,93.69 v1(89.5,93.2)
  Top w0.256: U1.K28 v1(63,66)
  In3.Cu w0.1: v1(63,66) 63.6,66.6 63.6,85.63 69.59,91.63 70.57,91.63 71.75,92.8 83.5,92.8 84.5,93.8 88.15,93.8 88.75,93.2 v1(89.5,93.2)
/USER_IO.A33: length 53.3
  Top w0.256: U1.L28 v1(63,65)
  In3.Cu w0.1: v1(63,65) 63.6,65.6 65.2,65.6 65.4,65.8 65.4,86.59 69.81,91 70.8,91 71.4,91.6 82.6,91.6 84.6,93.6 88.07,93.6 88.97,92.7 v1(91.2,92.7)
/USER_IO.A35: length 66.4
  Top w0.1: v1(93.19,97.11) 93.19,93.09 92.53,92.43 92.53,91.42
  Top w0.256: U1.L25 v1(60,65)
  In3.Cu w0.1: v1(60,65) 59.5,65.5 58.8,65.5 58.6,65.7 58.6,83.49 68.74,93.63 69.71,93.63 71.28,95.2 91.3,95.2 93.19,97.09 v1(93.19,97.11)
/USER_IO.A36: length 57.9
  Top w0.1: v1(91.9,93.05) 91.9,93.9 92.53,94.53 92.53,95.49
  Top w0.256: U1.N29 v1(64,63)
  In3.Cu w0.1: v1(91.9,93.05) 91.9,90.5 91.6,90.2 71.41,90.2 71.21,90 70.23,90 66.4,86.17 66.4,64.6 65.3,63.5 64.5,63.5 v1(64,63)
/USER_IO.A37: length 59
  Top w0.1: v1(93.8,93.43) 93.8,91.63
  Top w0.256: U1.L27 v1(62,65)
  In3.Cu w0.1: v1(93.8,93.43) 91.23,93.43 90.9,93.1 90.2,93.1 89.6,93.7 88.53,93.7 88.23,94 84.4,94 83.4,93 80.6,93 79.8,93.8 78,93.8 77.42,93.23 71.61,93.23 70.41,92.03 69.43,92.03 62.61,85.21 62.61,65.61 v1(62,65)
